# Altium PCB OSA_V100.PcbDoc (part 2 of 5)
Units mm, origin at the board's own origin, x right, y up, seen from the top; angles counter-clockwise.
Board outline 82 x 80 mm, 6 copper layers ([L1] TOP, [L2] GND_1, [L3] SIGNAL, [L4] POWER, [L5] GND_2, [L6] BOTTOM), stack 1.608 mm thick; 297 components, 180 nets, 1222 pads, 1522 vias.
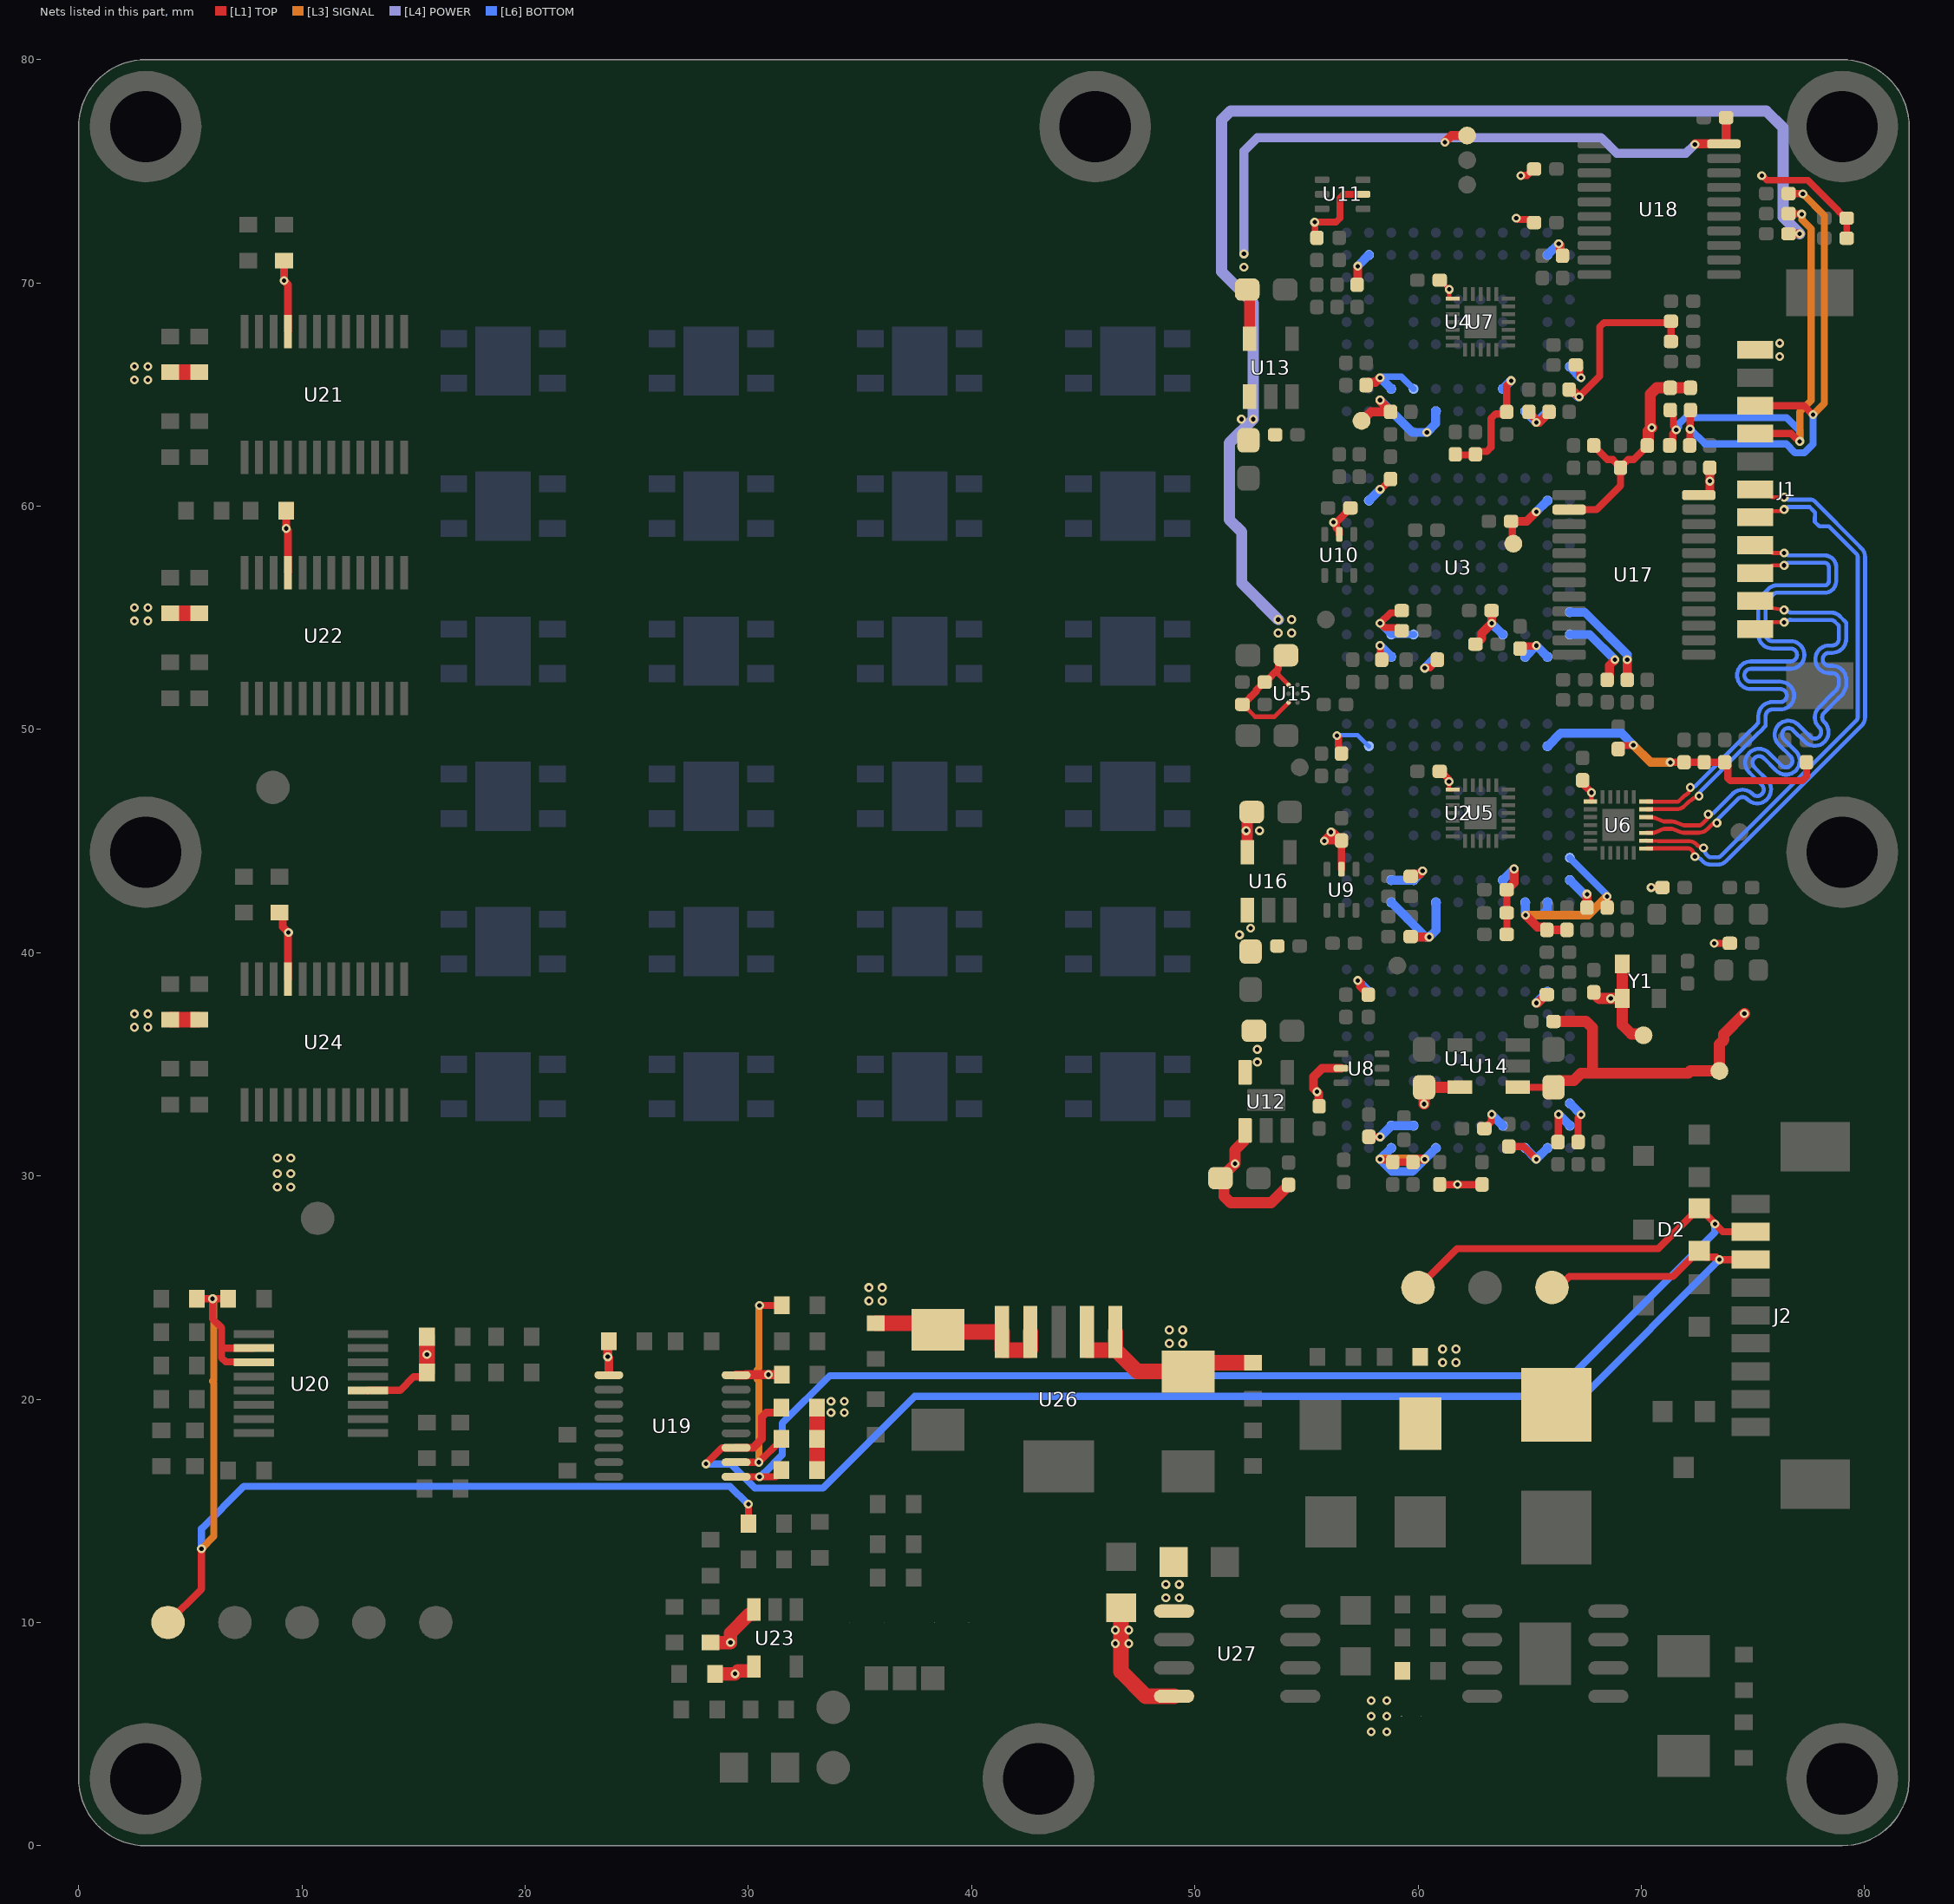
[diagram p6: the nets of this part, all layers, seen from the top]

## Via types
v1: diameter 0.4, hole 0.2, [L1] TOP to [L6] BOTTOM, tented both sides, 1522 vias

## Nets (pads, with @x,y where several pads share a name; then routed paths per layer and width w, separated by ;. In a path a pad name is that pad's centre, name@x,y a point inside that pad or via, vN(x,y) a via of type N, cw(c..) or ccw(c..) an arc to the next point about the centre after c; other vN are vias at no path point) (continued)
+1.8V: C1.2 C2.2 C3.2 C4.2 C5.2 C6.2 C7.2 C8.2 C9.2 C10.2 C11.2 C12.2 C13.2 C14.2 C15.2 C16.2 C17.2 C18.2 C19.2 C20.2 C61.2 C62.2 C63.2 C65.2 C66.2 C67.2 C68.2 C78.1 C80.2 R13.1 R14.1 R15.1 R16.1 R17.1 R18.1 R19.1 R20.1 R21.1 R22.1 R23.1 R24.1 R31.1 R33.1 R34.1 R35.1 R36.1 R37.1 R38.1 TP5.0 U1.B2 U1.B10 U1.H1 U1.H4 U1.H8 U1.H9 U2.B2 U2.B10 U2.H1 U2.H4 U2.H8 U2.H9 U3.B2 U3.B10 U3.H1 U3.H4 U3.H8 U3.H9 U4.B2 U4.B10 U4.H1 U4.H4 U4.H8 U4.H9 U5.18 U6.18 U7.18 U8.5 U9.5 U10.5 U11.5 U16.5 U17.24 | length 97
  [L1] TOP w0.18: C17.2@60.995,70.12 60.995,70.113 v1(61.4,69.708) 61.4,69.301 61.401,69.3 U7.18@61.55,69.3 ; v1(61.386,47.664) 61.386,47.301 61.387,47.3 U5.18@61.55,47.3 ; U6.18@67.72,46.77 67.769,46.77 67.77,46.771 v1(67.77,47.17)
  [L1] TOP w0.3: C67.2@55.47,72.045 C67.2@55.47,72.02 55.389,72.101 55.389,72.701 v1(55.37,72.72) 56.324,72.72 56.5,72.896 56.5,73.794 56.676,73.97 U11.5@57.54,73.97 ; v1(55.8,45) 55.81,45.01 55.819,45.019 55.819,45.092 56.1,45.373 v1(56.1,45.4) ; v1(75.4,74.8) 75.426,74.8 75.626,74.6 77.461,74.6 78.825,73.236 78.825,73.226 79.001,73.05 79.05,73.05 R24.1@79.2,72.9 R21.1@79.2,72
  [L1] TOP w0.32: v1@55.81,45.01 56.168,45.01 ; v1(56.1,45.4) v1@56.115,45.385 ; v1(56.215,59.275) 56.215,59.253 56.34,59.128 56.34,59.018 56.403,58.954 56.416,58.954 56.47,58.9 U10.5@56.47,58.74 ; v1@56.34,59.29 56.805,59.755 56.805,59.78 56.945,59.92 C68.2@56.97,59.92 ; v1(56.37,49.72) 56.37,49.698 56.43,49.638 56.43,49.06 C9.2@56.57,48.92 ; U9.5@56.57,43.74 C65.2@56.57,45.02 ; C5.2@57.8,31.75 v1@58.298,31.749 ; v1(58.298,54.752) 58.32,54.752 58.512,54.56 59.13,54.56 C13.2@59.27,54.42 ; v1(58.302,60.752) 58.317,60.767 58.345,60.767 58.77,61.192 C15.2@58.77,61.217 ; v1@58.314,54.767 58.768,55.221 59.146,55.221 R19.1@59.245,55.32 ; R13.1@60.97,29.595 60.982,29.607 61.757,29.607 v1(61.77,29.62) 61.782,29.607 62.857,29.607 R14.1@62.87,29.595 ; C62.2@60.995,48.12 61.02,48.12 61.37,47.77 61.37,47.68 v1(61.386,47.664) ; R23.1@61.67,62.295 62.57,62.295 62.57,62.308 62.71,62.448 63.083,62.448 63.27,62.636 63.27,63.92 63.482,64.132 63.882,64.132 C20.2@63.97,64.22 63.97,65.398 64.17,65.598 v1(64.17,65.62) ; C4.2@62.97,32.12 62.995,32.12 63.135,32.26 63.135,32.285 63.283,32.433 63.283,32.736 v1(63.298,32.752) ; R16.1@63.995,40.82 63.983,40.832 63.983,42.808 C8.2@63.995,42.82 ; C14.2@64.17,59.32 64.22,59.27 64.22,58.37 TP5.0@64.27,58.32 ; v1(64.4,72.9) 64.422,72.9 64.482,72.84 65.06,72.84 R18.1@65.2,72.7 ; v1(64.6,74.8) 64.615,74.815 64.89,74.815 65.175,75.1 R15.1@65.2,75.1 ; C3.2@66.27,31.52 66.284,31.534 66.284,32.737 v1(66.298,32.752) ; v1(67.214,64.892) 68.141,65.82 68.141,68.033 68.329,68.22 R37.1@71.33,68.22 ; C61.2@67.37,47.695 67.308,47.633 v1(67.77,47.17) ; C10.2@68.97,49.12 68.97,49.14 69.11,49.28 69.63,49.28 v1(69.645,49.295) ; v1(70.445,42.92) R31.1@70.92,42.92 ; v1(71.3,48.525) 71.303,48.528 71.918,48.528 R33.1@71.92,48.53 R35.1@73.738,48.53 73.878,48.39 73.878,47.81 73.987,47.7 77.213,47.7 77.4,47.887 R36.1@77.4,48.53 ; R38.1@71.33,67.38 R37.1@71.33,68.22 ; R37.1@71.33,68.28 R37.1@71.33,68.22 ; v1@56.115,45.385 56.23,45.385 56.57,45.045 C65.2@56.57,45.02 ; v1@56.115,45.385 56.115,45.062 56.168,45.01 ; 56.168,45.01 56.56,45.01 C65.2@56.57,45.02
  [L1] TOP w0.4: C66.2@55.57,33.12 55.552,33.138 55.552,33.688 55.32,33.92 55.32,34.448 55.692,34.82 U8.5@56.55,34.82 ; C16.2@57.27,69.92 57.298,69.948 v1(57.298,70.748) ; v1(57.298,38.752) 57.42,38.63 57.42,38.495 57.77,38.145 C2.2@57.77,38.12 ; C18.2@57.67,65.42 57.67,65.445 57.77,65.545 58.092,65.545 v1(58.298,65.752) ; C6.2@59.695,43.42 59.795,43.52 60.064,43.52 v1(60.205,43.662) ; C12.2@62.57,53.82 62.595,53.82 62.857,54.082 62.857,54.311 v1(63.298,54.752) 63.298,55.298 R20.1@63.32,55.32 ; C8.2@63.995,42.82 64.02,42.82 64.12,42.92 64.12,42.945 64.302,43.127 v1(64.302,43.752) ; C14.2@64.17,59.32 64.87,59.32 v1(65.298,59.748) ; v1(65.298,37.748) 65.373,37.748 65.745,38.12 C1.2@65.77,38.12 ; v1(66.302,71.752) 66.37,71.683 66.37,71.32 C63.2@66.47,71.22 ; C19.2@66.77,65.245 C19.2@66.77,65.22 66.87,65.12 66.986,65.12 v1(67.214,64.892) ; C7.2@67.57,42.045 v1(67.57,42.62) ; C11.2@68.47,52.22 68.57,52.32 68.57,52.87 v1(68.82,53.12) ; U17.24@72.57,60.495 73.045,60.495 73.07,60.52 v1(73.07,61.12) C80.2@73.07,61.72
  [L1] TOP w0.5: U16.5@52.35,44.5 52.35,46.1 C78.1@52.55,46.3
  [L3] SIGNAL w0.4: v1(69.645,49.295) 70.415,48.525 v1(71.3,48.525)
  [L6] BOTTOM w0.2: v1(56.37,49.72) 56.386,49.736 57.3,49.736 57.786,49.25 U2.B10@57.8,49.25
  [L6] BOTTOM w0.3: v1(58.298,65.752) 58.325,65.752 58.374,65.8 59.25,65.8 U4.H8@59.8,65.25
  [L6] BOTTOM w0.32: v1(58.298,54.752) U3.H9@58.8,54.25 U3.H8@59.8,54.25
  [L6] BOTTOM w0.4: v1(57.298,38.752) U1.B10@57.8,38.25 ; v1(57.298,70.748) U4.B10@57.8,71.25 ; U3.B10@57.8,60.25 v1(58.302,60.752) ; v1(58.298,31.748) U1.H9@58.8,32.25 U1.H8@59.8,32.25 ; v1(58.298,65.752) U4.H9@58.8,65.25 ; U2.H9@58.8,43.25 59.797,43.25 v1@60.205,43.659 ; v1(63.298,32.752) U1.H4@63.8,32.25 ; v1(63.298,54.752) U3.H4@63.8,54.25 ; U2.H4@63.8,43.25 v1(64.302,43.752) ; U4.H4@63.8,65.25 v1(64.17,65.62) ; v1(65.298,37.748) U1.B2@65.8,38.25 ; v1(65.298,59.748) U3.B2@65.8,60.25 ; U2.B2@65.8,49.25 65.814,49.25 66.389,49.825 69.115,49.825 v1(69.645,49.295) ; U4.B2@65.8,71.25 v1(66.302,71.752) ; v1(66.298,32.752) U1.H1@66.8,32.25 ; U2.H1@66.8,43.25 67.43,42.62 v1(67.57,42.62) ; U3.H1@66.8,54.25 67.69,54.25 v1(68.82,53.12) ; U4.H1@66.8,65.25 66.814,65.25 67.171,64.892 v1(67.214,64.892)
  other v1: 55.47,33.77 52.3,45.463 52.9,45.463
+2.4V: C72.1 C81.2 TP2.0 U13.5 U18.20 | length 31.5
  [L1] TOP w0.4: v1(61.2,76.3) 61.5,76.6 TP2.0@62.2,76.6 ; v1(72.403,76.202) 72.426,76.225 U18.20@73.7,76.225 73.8,76.225 C81.2@73.8,77.4
  [L1] TOP w0.5: C72.1@52.35,69.7 52.45,69.6 U13.5@52.45,67.5
  [L4] POWER w0.4: v1(52.2,71.3) 52.2,75.9 52.8,76.5 68.2,76.5 68.9,75.8 72.001,75.8 v1(72.403,76.202)
  other v1: 52.2,70.7
+2.8V: C21.2 C22.2 C23.2 C24.2 C25.2 C26.2 C27.2 C28.2 C29.2 C30.2 C31.2 C32.2 C33.2 C34.2 C35.2 C36.2 C74.1 TP3.0 U1.G1 U1.J2 U1.J3 U1.J7 U1.J9 U2.G1 U2.J2 U2.J3 U2.J7 U2.J9 U3.G1 U3.J2 U3.J3 U3.J7 U3.J9 U4.G1 U4.J2 U4.J3 U4.J7 U4.J9 U14.5 | length 50.8
  [L1] TOP w0.32: v1(58.298,30.748) 58.314,30.733 58.757,30.733 C21.2@58.87,30.62 C23.2@59.77,30.62 ; v1(58.298,53.752) 58.314,53.736 58.314,53.176 C30.2@58.37,53.12 ; v1(60.298,52.748) 60.314,52.764 60.539,52.764 60.87,53.095 C31.2@60.87,53.12 ; C22.2@64.07,31.32 64.727,31.32 v1(65.298,30.748) ; C32.2@64.57,53.62 64.686,53.736 65.286,53.736 v1(65.302,53.752) ; C34.2@67.07,66.32 67.095,66.32 67.235,66.18 67.235,65.837 67.302,65.77 v1(67.302,65.748) ; C24.2@67.17,31.52 67.17,32.595 67.302,32.727 v1(67.302,32.748) ; C25.2@68.47,42.02 v1(68.47,42.52)
  [L1] TOP w0.4: TP3.0@57.47,63.82 57.489,63.82 57.889,64.22 C33.2@58.77,64.22 58.77,64.245 58.298,64.717 v1(58.298,64.752) ; C28.2@59.67,40.72 59.69,40.7 v1(60.5,40.7) ; C23.2@59.77,30.62 59.77,30.645 59.87,30.745 59.895,30.745 59.898,30.748 v1(60.298,30.748) ; v1(64.813,41.683) 65.351,41.145 65.67,41.145 65.77,41.045 C27.2@65.77,41.02 C26.2@66.67,41.02 ; C36.2@64.97,64.22 64.97,64.195 65.298,63.867 v1(65.298,63.748) 65.423,63.748 65.87,64.195 C35.2@65.87,64.22 ; C29.2@69.37,52.22 v1(69.37,53.12)
  [L1] TOP w0.5: v1(60.27,33.22) C74.1@60.27,33.97 U14.5@61.87,33.97
  [L3] SIGNAL w0.4: v1(58.298,30.748) v1(60.298,30.748) ; v1(64.813,41.683) 67.633,41.683 v1(68.47,42.52)
  [L6] BOTTOM w0.32: U2.G1@66.8,44.25 68.455,42.595 68.455,42.535 v1(68.47,42.52)
  [L6] BOTTOM w0.4: v1(58.298,53.752) U3.J9@58.8,53.25 ; v1(58.298,64.752) 59.75,63.3 v1(60.4,63.3) 60.79,63.69 60.79,64.24 U4.J7@60.8,64.25 ; U1.J9@58.8,31.25 v1(58.298,30.748) 58.847,30.2 59.75,30.2 U1.J7@60.8,31.25 ; U2.J9@58.8,42.25 60.35,40.7 v1(60.5,40.7) 60.8,41 U2.J7@60.8,42.25 ; v1(60.298,52.748) U3.J7@60.8,53.25 ; U1.J3@64.8,31.25 65.298,30.752 v1(65.298,30.748) U1.J2@65.8,31.25 ; U2.J3@64.8,42.25 64.81,42.24 64.81,41.687 v1(64.813,41.683) 65.541,41.683 65.79,41.932 65.79,42.24 U2.J2@65.8,42.25 ; U3.J3@64.8,53.25 v1(65.302,53.752) 65.302,53.748 U3.J2@65.8,53.25 ; U4.J3@64.8,64.25 65.298,63.752 v1(65.298,63.748) U4.J2@65.8,64.25 ; U1.G1@66.8,33.25 v1(67.302,32.748) ; U3.G1@66.8,55.25 66.81,55.24 67.477,55.24 69.37,53.348 v1(69.37,53.12) ; U4.G1@66.8,66.25 v1(67.302,65.748)
+3.3: C83.2 C84.2 C97.2 C98.2 C106.2 C107.2 C123.2 C125.1 R48.2 R49.2 R50.2 R51.2 R56.2 R59.2 R60.2 R64.2 R65.2 U19.1 U19.16 U20.4 U23.3 U23.4 U26.4 U26.5 | length 31.1
  [L1] TOP w0.32: R59.2@4.124,55.227 R60.2@5.426,55.227 ; R51.2@4.124,66.027 R56.2@5.426,66.027 ; U20.4@12.953,20.382 12.968,20.398 14.398,20.398 15.006,21.006 15.41,21.006 C98.2@15.6,21.196
  [L1] TOP w0.4: U19.1@23.75,21.1 23.75,21.85 v1(23.7,21.9) 23.7,22.55 C83.2@23.75,22.6 ; U19.16@29.45,21.075 29.875,21.075 29.9,21.1 v1(30.9,21.1) C84.2@31.5,21.1
  [L1] TOP w0.6: C106.2@28.3,9.1 v1(29.2,9.1) 29.2,9.525 30.05,10.375 30.25,10.375 U23.3@30.25,10.575 ; C107.2@28.5,7.7 v1(29.4,7.7) 29.525,7.825 30.25,7.825 U23.4@30.25,8.025
  [L1] TOP w0.7: R64.2@4.1,37 R65.2@5.4,37 ; R59.2@4.1,55.2 R60.2@5.4,55.2 ; R51.2@4.1,66 R56.2@5.4,66 ; C98.2@15.6,21.196 C97.2@15.6,22.8 ; R48.2@33.073,16.826 33.073,19.576 R50.2@33.073,19.626 ; C123.2@35.7,23.4 38.203,23.4 38.593,23.01 U26.5@41.36,23.01 41.36,22.221 41.394,22.188 42.596,22.188 42.63,22.221 U26.4@42.63,23.01
  other v1: 33.7,19.4 34.3,19.4 33.7,19.9 34.3,19.9 15.6,22 35.4,24.4 36,24.4 35.4,25 36,25 2.5,36.657 3.1,36.657 2.5,37.257 3.1,37.257 2.5,54.857 3.1,54.857 2.5,55.457 3.1,55.457 2.5,65.657 3.1,65.657 2.5,66.257 3.1,66.257
+3.3V: C64.2 C70.1 C71.1 C75.1 C79.2 C82.2 R4.2 R6.2 R9.1 R11.1 R25.1 R26.1 R29.1 TP1.0 U12.5 U13.1 U15.A2 U15.C2 U17.2 Y1.1 Y1.4 | length 78.4
  [L1] TOP w0.2: R6.2@52.13,51.12 52.155,51.12 52.705,50.57 53.57,50.57 U15.A2@54.2,51.2 ; 53.746,52.711 53.746,52.454 U15.C2@54.2,52
  [L1] TOP w0.32: R6.2@52.155,51.12 52.495,51.46 52.765,51.731 52.765,51.78 53.105,52.12 C82.2@53.13,52.12 53.155,52.12 53.746,52.711 53.746,52.987 C75.1@54.08,53.32 C75.1@54.08,53.32 ; U17.2@66.77,59.845 67.995,59.845 69.07,60.92 C79.2@69.07,61.72 ; R25.1@67.87,62.72 67.87,62.695 68.21,62.355 ; 68.211,62.355 68.481,62.085 68.73,62.085 69.07,61.745 69.41,62.085 69.659,62.085 69.929,62.355 R29.1@70.27,62.695
  [L1] TOP w0.4: R26.1@76.6,72.2 v1(77.1,72.2)
  [L1] TOP w0.5: C64.2@67.87,38.22 67.87,38.195 68.12,37.945 v1(68.632,37.945) Y1.1@69.145,37.945 ; Y1.4@69.145,39.495 Y1.1@69.145,37.945 ; TP1.0@70.1,36.3 70.043,36.357 69.558,36.357 69.145,36.77 Y1.1@69.145,37.945 ; R29.1@70.27,62.695 70.32,62.745 70.32,63.37 v1(70.47,63.52) 70.4,63.59 70.4,65.007 70.693,65.3 R11.1@71.3,65.3 R9.1@72.2,65.3
  [L4] POWER w0.5: v1(53.737,54.92) 52.1,56.557 52.1,58.845 51.543,59.401 51.543,62.825 v1(52.614,63.896) 52.614,69.086 51.2,70.5 51.2,77.3 51.6,77.7 75.6,77.7 76.354,76.946 76.354,72.946 v1(77.1,72.2)
  other v1: 52.8,35.1 52.797,35.67 53.737,54.32 54.337,54.32 54.337,54.92 52.088,63.895
+5: C117.2 C119.1 C122.2 C124.1 C128.1 JP1.2 L1.2 R66.2 U26.1 U26.2 U27.8 | length 14.4
  [L1] TOP w0.7: U26.2@45.204,22.188 46.474,22.188 47.426,21.235 C124.1@49.7,21.235 50.093,21.628 C122.2@52.614,21.628 ; U26.1@46.44,22.221 U26.1@46.44,23.01 ; C128.1@46.7,10.657 46.7,7.8 47.805,6.695 U27.8@49.075,6.695
  other v1: 57.9,5.1 58.6,5.1 57.9,5.8 58.6,5.8 57.9,6.5 58.6,6.5 46.443,9.057 47.043,9.057 46.443,9.657 47.043,9.657 61.1,21.643 61.7,21.643 61.1,22.243 61.7,22.243 48.857,22.5 49.457,22.5 48.857,23.1 49.457,23.1
+5V_CAM: C69.1 C73.1 C77.1 J1.11 R3.2 R5.2 R7.2 R30.1 TP6.0 U12.1 U14.1 U16.1 | length 23.9
  [L1] TOP w0.32: U14.1@64.47,33.97 64.549,33.97 64.619,33.9 64.689,33.97 C73.1@66.07,33.97 C73.1@66.32,34.22 ; v1(73.27,40.42) R30.1@73.945,40.42
  [L1] TOP w0.5: U12.1@52.25,32.038 52.2,31.988 52.2,31.559 51.8,31.159 v1(51.8,30.55) 51.45,30.2 51.45,30.15 51.2,29.9 C69.1@51.15,29.9 51.307,29.743 51.307,29.093 51.6,28.8 53.425,28.8 54.15,29.525 54.15,29.55 R3.2@54.2,29.6 ; R5.2@66.07,36.92 67.524,36.92 67.816,36.627 67.816,34.6 ; C73.1@66.32,34.22 66.32,34.27 66.975,34.27 67.305,34.6 67.816,34.6 ; v1(74.62,37.27) 73.7,36.35 73.7,36.1 73.5,35.9 TP6.0@73.5,34.7 72.2,34.7 72.1,34.6 67.816,34.6
  other v1: 52,40.8 52.5,41.1 76.2,66.7 76.2,67.3
-5: C91.2 C103.2 C112.2 C130.2 U21.21 U22.21 U24.21 U27.5 | length 9.2
  [L1] TOP w0.35: C112.2@9,41.8 9.146,41.654 9.146,41.154 v1@9.39,40.91 ; C91.2@9.2,71 v1(9.2,70.1) 9.2,70.086 9.375,69.911 U21.21@9.375,67.819 ; C103.2@9.3,59.8 v1(9.3,59) 9.3,58.986 9.375,58.911 U22.21@9.375,57.019 ; U24.21@9.375,38.819 9.375,40.861 9.4,40.886 v1(9.4,40.9)
  other v1: 48.7,11.1 49.3,11.1 48.7,11.7 49.3,11.7 8.9,29.5 9.5,29.5 8.9,30.1 9.5,30.1 8.9,30.8 9.5,30.8
ADC_CONVST: D2.3 J2.8 R48.1 TP14.1 U19.9 | length 67.5
  [L1] TOP w0.32: U19.9@29.45,16.525 v1(30.5,16.525) 31.222,16.525 31.473,16.776 R48.1@31.473,16.826 ; TP14.1@60,25 61.743,26.743 70.768,26.743 72.575,28.55 D2.3@72.6,28.55 ; D2.3@72.625,28.55 73.285,27.89 73.285,27.865 73.65,27.5 J2.8@74.895,27.5
  [L6] BOTTOM w0.32: v1(30.5,16.525) 30.522,16.525 30.662,16.665 30.683,16.665 31.525,17.506 31.525,18.925 33.647,21.047 66.868,21.047 73.3,27.479 v1(73.3,27.85)
ADC_CS: D2.1 J2.7 R50.1 TP13.1 U19.11 | length 64.8
  [L1] TOP w0.32: v1(28.1,17.1) 28.819,17.819 29.444,17.819 U19.11@29.45,17.825 ; TP13.1@66,25 66.277,25 66.777,25.5 71.425,25.5 72.575,26.65 D2.1@72.6,26.65 ; D2.1@72.625,26.65 72.915,26.36 73.368,26.36 73.478,26.25 J2.7@74.895,26.25
  [L1] TOP w0.35: U19.11@29.45,17.825 30.211,17.825 30.6,18.214 30.6,19.196 30.805,19.401 31.298,19.401 31.473,19.576 R50.1@31.473,19.626
  [L6] BOTTOM w0.32: v1(28.1,17.1) 29.204,17.1 30.289,16.015 33.337,16.015 37.447,20.125 67.375,20.125 v1(73.5,26.25)
ADC_EOC: R47.2 R49.1 U19.10 | length 10.6
  [L1] TOP w0.32: U19.10@29.45,17.175 v1(30.472,17.175) 31.473,18.176 R49.1@31.473,18.226 ; v1(30.5,24.2) R47.2@31.5,24.2
  [L3] SIGNAL w0.32: v1(30.472,17.175) 30.472,20.806 30.39,20.889 30.39,21.311 30.472,21.393 30.472,24.151 30.5,24.178 v1(30.5,24.2)
ADC_IN: C89.1 R45.2 R57.2 TP16.1 U20.10 U20.11 | length 50
  [L1] TOP w0.32: TP16.1@4,10 5.5,11.5 v1(5.5,13.3) ; C89.1@5.3,24.5 v1(6,24.5) ; R57.2@6.7,24.5 v1(6,24.5) ; U20.11@7.847,21.652 7.832,21.668 6.587,21.668 6.4,21.855 6.4,22.356 ; U20.10@7.847,22.287 6.468,22.287 6.4,22.356 ; R45.2@30,14.425 v1(30,15.3) ; v1(6,24.5) 6,23.6 6.4,23.2 6.4,22.356
  [L3] SIGNAL w0.32: v1(5.5,13.3) 6.053,13.853 6.053,20.747 6,20.8 6,20.822 6.053,20.875 v1@6.053,24.5
  [L6] BOTTOM w0.32: v1(5.5,13.3) 5.5,14.2 7.4,16.1 29.178,16.1 29.978,15.3 v1(30,15.3)
CAM_CK_N: J1.5 U6.7 | length 25.2
  [L1] TOP w0.18: U6.7@70.22,45.02 70.758,45 ccw(c70.765,45.18) 70.765,45 72.111,45 cw(c72.111,44.49) 72.471,44.851 72.509,44.814 ; 72.509,44.813 72.512,44.811 ; 72.513,44.809 ccw(c72.639,44.937) 72.576,44.769 v1(72.789,44.689) ; J1.5@75.6,59.6 75.81,59.775 76.25,59.775 ccw(c76.25,59.955) 76.377,59.827 v1(76.4,59.85)
  [L6] BOTTOM w0.18: v1(72.789,44.689) 72.869,44.476 ccw(c73.037,44.539) 72.91,44.412 cw(c72.549,44.052) 72.961,44.352 72.964,44.349 ccw(c73.109,44.455) 73.109,44.275 73.434,44.275 ccw(c73.434,44.455) 73.561,44.327 73.658,44.424 79.546,50.312 79.643,50.409 ccw(c79.515,50.536) 79.695,50.536 79.695,57.735 ccw(c79.515,57.735) 79.643,57.861 79.571,57.934 ; v1(76.4,59.85) 76.46,59.85 76.57,59.96 77.54,59.96 77.638,59.863 77.701,59.799 77.784,59.716 77.784,59.511 77.775,59.503 77.775,59.297 77.98,59.092 78.185,59.092 78.194,59.101 78.399,59.101 78.462,59.038 ; 78.399,59.101 78.422,59.078 cw(c78.295,58.95) 78.423,59.077 79.546,57.954 79.551,57.95 cw(c79.444,57.806) 79.57,57.934
CAM_CK_P: J1.6 U6.6 | length 25.9
  [L1] TOP w0.18: U6.6@70.22,44.67 72.111,44.67 cw(c72.111,44.49) 72.238,44.618 72.275,44.581 72.278,44.578 ccw(c72.512,44.81) 72.279,44.577 cw(c72.152,44.449) 72.32,44.513 v1(72.4,44.3) ; J1.6@75.6,60.65 75.81,60.44 75.825,60.43 ccw(c75.925,60.58) 75.925,60.4 v1(76.4,60.4)
  [L6] BOTTOM w0.18: v1(72.4,44.3) 72.613,44.22 cw(c72.549,44.052) 72.695,44.158 72.697,44.154 ccw(c73.109,44.455) 73.109,43.945 73.434,43.945 ccw(c73.434,44.455) 73.794,44.094 73.89,44.19 79.779,50.079 ; v1(76.4,60.4) 76.46,60.4 76.57,60.29 77.61,60.29 cw(c77.61,60.11) 77.737,60.238 79.783,58.192 79.787,58.187 ccw(c79.932,58.294) 79.804,58.167 79.876,58.094 cw(c79.515,57.735) 80.025,57.735 80.025,50.536 cw(c79.515,50.536) 79.876,50.176 79.78,50.08
CAM_D0_N: J1.1 U6.10 | length 25.6
  [L1] TOP w0.18: U6.10@70.22,46.07 70.541,46.048 cw(c70.525,45.809) 70.615,46.031 70.97,45.888 ccw(c71.037,46.055) 71.037,45.875 71.361,45.875 cw(c71.36,45.365) 71.543,45.841 71.874,45.713 ccw(c71.939,45.881) 71.926,45.701 ccw(c71.968,46.335) 71.963,45.7 ccw(c71.968,46.414) 71.968,45.7 72.581,45.7 ccw(c72.581,45.88) 72.708,45.752 72.805,45.849 72.958,46.002 72.958,46.158 v1(73,46.2) ; J1.1@75.1,54.5 75.81,54.8 v1(76.4,54.8)
  [L6] BOTTOM w0.18: v1(73,46.2) 73.042,46.242 73.22,46.242 73.272,46.294 74.096,47.118 cw(c74.535,46.679) 74.973,47.118 74.99,47.101 ccw(c75.195,47.306) 75.4,47.511 ; 75.4,47.512 74.839,48.072 cw(c75.277,48.511) 74.837,48.948 74.838,48.95 cw(c75.277,48.511) 75.661,48.998 75.667,48.998 76.277,48.387 ccw(c76.482,48.593) 76.687,48.798 76.156,49.329 cw(c76.594,49.768) 76.154,50.206 76.155,50.207 cw(c76.594,49.768) 76.978,50.255 76.984,50.255 77.564,49.674 ccw(c77.769,49.879) 77.974,50.085 ; v1(76.4,54.8) 76.607,54.894 cw(c76.681,54.73) 76.681,54.91 cw(c76.681,54.73) 76.718,54.906 76.722,54.905 ccw(c76.825,55.405) 76.825,54.895 78.53,54.895 cw(c78.53,54.715) 78.657,54.843 78.666,54.834 78.85,54.65 78.85,54.647 78.85,54.05 cw(c78.56,54.05) 78.56,53.76 78.418,53.76 ccw(c78.418,53.14) 78.418,52.52 78.56,52.52 cw(c78.56,52.23) 78.85,52.23 78.85,51.975 78.764,51.8 cw(c78.603,51.879) 78.73,51.752 78.588,51.609 77.958,50.98 ccw(c78.395,50.54) 77.958,50.101 77.973,50.085
CAM_D0_P: J1.2 U6.8 | length 26.7
  [L1] TOP w0.18: U6.8@70.22,45.37 cw(c70.24,45.191) 70.239,45.371 70.547,45.371 ccw(c70.547,45.97) 70.549,45.371 ccw(c70.547,45.551) 70.616,45.385 70.968,45.531 cw(c71.037,45.365) 71.037,45.545 71.361,45.545 cw(c71.36,45.365) 71.425,45.533 71.755,45.405 ccw(c71.939,45.881) 71.903,45.372 ccw(c71.968,46.335) 71.96,45.37 ccw(c71.968,46.414) 71.968,45.37 72.581,45.37 ccw(c72.581,45.88) 72.941,45.519 73.037,45.615 ; 73.038,45.616 73.191,45.769 73.347,45.769 v1(73.389,45.811) ; J1.2@75.1,55.75 75.81,55.44 v1(76.4,55.35)
  [L6] BOTTOM w0.18: v1(73.389,45.811) 73.431,45.853 73.431,45.986 73.506,46.061 74.33,46.885 cw(c74.535,46.679) 74.74,46.885 74.756,46.868 ccw(c75.195,47.306) 75.633,46.866 75.634,46.867 ccw(c75.195,47.306) 75.682,47.69 75.682,47.696 75.072,48.306 cw(c75.277,48.511) 75.482,48.716 ; 75.483,48.715 76.043,48.155 ccw(c76.482,48.593) 76.92,48.153 76.921,48.154 ccw(c76.482,48.593) 76.969,48.977 76.969,48.983 76.389,49.563 cw(c76.594,49.768) 76.799,49.973 ; v1(76.4,55.35) 76.607,55.256 ccw(c76.681,55.42) 76.681,55.24 ; 76.683,55.24 cw(c76.681,54.73) 76.784,55.23 76.788,55.229 ccw(c76.825,55.405) 76.825,55.225 78.53,55.225 cw(c78.53,54.715) 78.891,55.076 78.899,55.068 cw(c78.666,54.834) 78.9,55.067 79.18,54.787 ; 76.8,49.972 77.33,49.442 ccw(c77.769,49.879) 78.207,49.44 78.208,49.441 ccw(c77.769,49.879) 78.256,50.264 78.256,50.27 78.19,50.335 cw(c78.395,50.54) 78.19,50.745 78.821,51.376 78.964,51.519 79.005,51.56 ccw(c78.878,51.687) 79.04,51.609 79.147,51.832 ccw(c78.85,51.975) 79.18,51.975 79.18,52.23 ccw(c78.56,52.23) 78.56,52.85 78.418,52.85 cw(c78.418,53.14) 78.418,53.43 78.56,53.43 ccw(c78.56,54.05) 79.18,54.05 79.18,54.647 79.18,54.787 ; 79.133,54.834 79.18,54.787
CAM_D1_N: J1.3 U6.12 | length 25.6
  [L1] TOP w0.18: U6.12@70.22,46.77 70.434,46.77 70.444,46.76 71.449,46.76 71.585,46.76 ccw(c71.585,46.94) 71.713,46.813 71.89,46.99 cw(c72.249,46.628) 72.026,47.087 72.03,47.089 ccw(c71.952,47.251) 72.079,47.123 ccw(c71.952,47.251) 72.12,47.187 v1(72.2,47.4) ; J1.3@75.6,57.1 75.81,57.31 75.825,57.32 cw(c75.925,57.17) 75.925,57.35 v1(76.4,57.35)
  [L6] BOTTOM w0.18: v1(72.2,47.4) 72.242,47.442 72.398,47.442 74.78,49.825 75.104,50.148 75.245,50.289 75.245,50.605 cw(c75.865,50.605) 75.865,51.225 76.23,51.225 ccw(c76.23,51.515) 76.52,51.515 ccw(c76.23,51.515) 76.23,51.805 74.91,51.805 cw(c74.91,52.425) 74.29,52.425 cw(c74.91,52.425) 74.91,53.045 76.688,53.045 ccw(c76.688,53.335) 76.978,53.335 ccw(c76.688,53.335) 76.688,53.625 75.865,53.625 cw(c75.865,54.245) 75.245,54.245 75.245,54.5 75.245,55.497 75.245,55.634 cw(c75.755,55.634) 75.394,55.994 75.604,56.204 75.701,56.301 cw(c76.061,55.94) 76.061,56.45 78.221,56.45 ccw(c78.22,56.63) 78.4,56.63 78.4,57.28 ccw(c78.22,57.28) 78.22,57.46 77.258,57.46 76.57,57.46 76.46,57.35 v1(76.4,57.35)
CAM_D1_P: J1.4 U6.11 | length 26.7
  [L1] TOP w0.18: U6.11@70.22,46.42 70.434,46.42 70.444,46.43 71.585,46.43 ccw(c71.585,46.94) 71.947,46.58 72.123,46.756 cw(c72.249,46.628) 72.17,46.79 72.175,46.792 ccw(c71.952,47.251) 72.312,46.89 cw(c72.439,46.763) 72.376,46.931 v1(72.589,47.011) ; J1.4@75.6,58.15 75.81,57.94 75.825,57.93 ccw(c75.925,58.08) 75.925,57.9 v1(76.4,57.9)
  [L6] BOTTOM w0.18: v1(72.589,47.011) 72.631,47.053 72.631,47.209 75.247,49.825 75.337,49.915 75.575,50.153 75.575,50.605 cw(c75.865,50.605) 75.865,50.895 76.23,50.895 ccw(c76.23,51.515) 76.85,51.515 ccw(c76.23,51.515) 76.23,52.135 74.91,52.135 cw(c74.91,52.425) 74.62,52.425 cw(c74.91,52.425) 74.91,52.715 76.688,52.715 ccw(c76.688,53.335) 77.308,53.335 ccw(c76.688,53.335) 76.688,53.955 75.865,53.955 cw(c75.865,54.245) 75.575,54.245 75.575,54.5 75.575,55.634 cw(c75.755,55.634) 75.627,55.761 75.837,55.971 ; 75.838,55.971 75.934,56.068 cw(c76.061,55.94) 76.061,56.12 78.221,56.12 ccw(c78.22,56.63) 78.73,56.63 78.73,57.28 ccw(c78.22,57.28) 78.22,57.79 77.258,57.79 76.57,57.79 76.46,57.9 v1(76.4,57.9)
CAM_SCL: J1.8 R11.2 R28.2 R44.2 | length 21.2
  [L1] TOP w0.32: R28.2@71.27,62.745 71.41,62.885 71.41,63.238 71.57,63.398 v1(71.57,63.42) 71.57,63.442 71.44,63.572 71.44,64.16 R11.2@71.3,64.3 ; J1.8@75.6,63.25 76.728,63.25 77.078,62.9 v1(77.1,62.9) ; R44.2@76.6,73.1 76.61,73.09 77.176,73.09 v1(77.186,73.08)
  [L3] SIGNAL w0.32: v1(77.1,62.9) 77.1,64.221 77.61,64.731 77.61,72.411 77.202,72.82 77.202,73.065 v1(77.186,73.08)
  [L6] BOTTOM w0.32: v1(71.57,63.42) 71.57,63.442 71.677,63.549 71.677,63.663 71.976,63.962 76.513,63.962 77.1,63.375 v1(77.1,62.9)
CAM_SDA: J1.9 R9.2 R27.2 R43.2 | length 22.4
  [L1] TOP w0.32: R27.2@72.17,62.745 72.178,62.753 72.178,63.444 v1(72.187,63.452) 72.193,63.459 72.193,64.293 R9.2@72.2,64.3 ; J1.9@75.6,64.5 77.278,64.5 77.678,64.1 v1(77.7,64.1) ; R43.2@76.6,74 76.608,73.992 77.232,73.992 v1(77.24,73.985)
  [L3] SIGNAL w0.32: v1(77.24,73.985) 78.2,73.024 78.2,64.6 v1(77.7,64.1)
  [L6] BOTTOM w0.32: v1(72.187,63.452) 72.85,62.789 76.49,62.789 76.889,62.39 77.311,62.39 77.7,62.779 v1(77.7,64.1)